# Altium PCB 滑板车模块 - 拼板.PcbDoc (part 3 of 8)
Units mm, origin at the board's own origin, x right, y up, seen from the top; angles counter-clockwise.
Board outline 16 x 13 mm, 2 copper layers (Top Layer, Bottom Layer); 420 components, 26 nets, 2088 pads, 620 vias.
Unrouted connection lines stored in the file: 114.
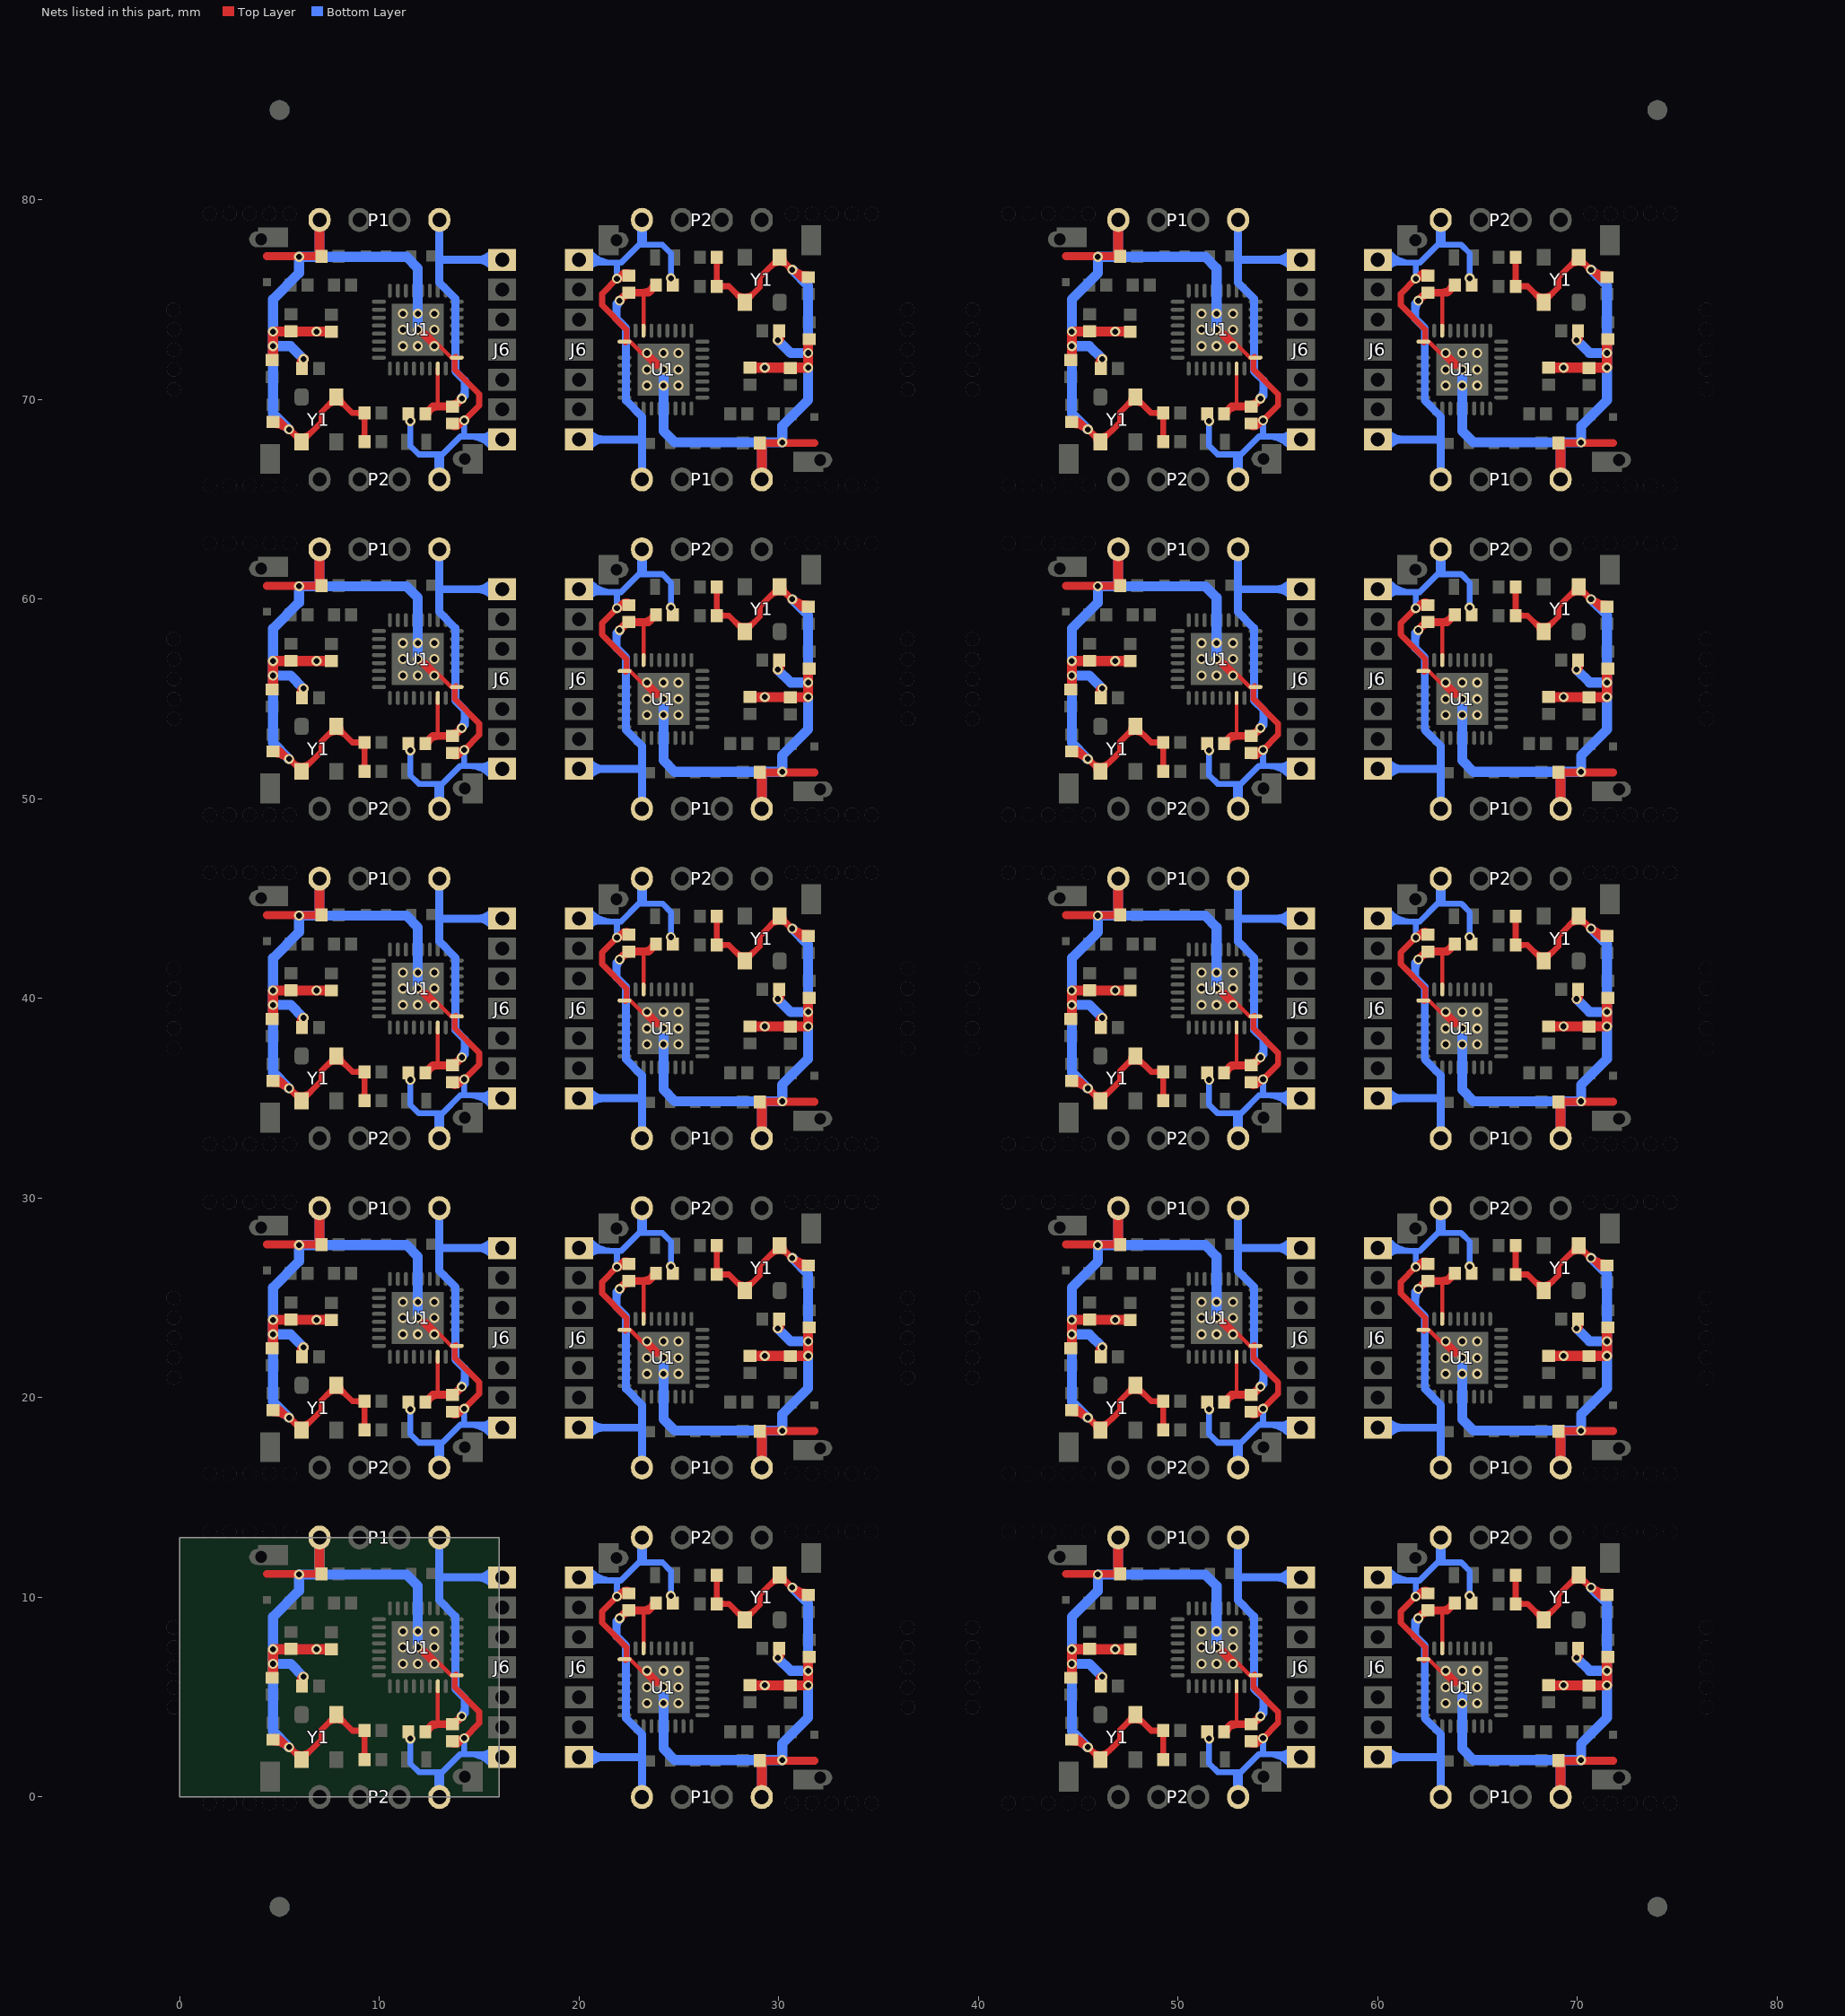
[diagram p3: the nets of this part, all layers, seen from the top]

## Via types
v1: diameter 0.5, hole 0.3, Top Layer to Bottom Layer, tented both sides, 620 vias

## Nets (pads, with @x,y where several pads share a name; then routed paths per layer and width w, separated by ;. In a path a pad name is that pad's centre, name@x,y a point inside that pad or via, vN(x,y) a via of type N, cw(c..) or ccw(c..) an arc to the next point about the centre after c; other vN are vias at no path point) (continued)
GND: (continued)
  Bottom Layer w0.3: v1(11.55,2.925) 11.55,1.675 11.975,1.25 13.15,1.25 14.05,2.15 14.275,2.15 ; v1(11.55,19.425) 11.55,18.175 11.975,17.75 13.15,17.75 14.05,18.65 14.275,18.65 ; v1(11.55,35.925) 11.55,34.675 11.975,34.25 13.15,34.25 14.05,35.15 14.275,35.15 ; v1(11.55,52.425) 11.55,51.175 11.975,50.75 13.15,50.75 14.05,51.65 14.275,51.65 ; v1(11.55,68.925) 11.55,67.675 11.975,67.25 13.15,67.25 14.05,68.15 14.275,68.15 ; v1(14.251,2.95) 14.251,2.174 14.275,2.15 ; v1(14.251,19.45) 14.251,18.674 14.275,18.65 ; v1(14.251,35.95) 14.251,35.174 14.275,35.15 ; v1(14.251,52.45) 14.251,51.674 14.275,51.65 ; v1(14.251,68.95) 14.251,68.174 14.275,68.15 ; 14.472,2.15 cw(c14.472,0.672) J6.7@15.517,1.717 ; 14.472,18.65 cw(c14.472,17.172) J6.7@15.517,18.217 ; 14.472,35.15 cw(c14.472,33.672) J6.7@15.517,34.717 ; 14.472,51.65 cw(c14.472,50.172) J6.7@15.517,51.217 ; 14.472,68.15 cw(c14.472,66.672) J6.7@15.517,67.717 ; J6.7@15.517,2.283 cw(c15.196,2.604) 15.196,2.15 cw(c15.196,1.396) J6.7@15.729,1.929 ; J6.7@15.517,18.783 cw(c15.196,19.104) 15.196,18.65 cw(c15.196,17.896) J6.7@15.729,18.429 ; J6.7@15.517,35.283 cw(c15.196,35.604) 15.196,35.15 cw(c15.196,34.396) J6.7@15.729,34.929 ; J6.7@15.517,51.783 cw(c15.196,52.104) 15.196,51.65 cw(c15.196,50.896) J6.7@15.729,51.429 ; J6.7@15.517,68.283 cw(c15.196,68.604) 15.196,68.15 cw(c15.196,67.396) J6.7@15.729,67.929 ; J6.7@16.15,2 16,2.15 14.275,2.15 ; J6.7@16.15,18.5 16,18.65 14.275,18.65 ; J6.7@16.15,35 16,35.15 14.275,35.15 ; J6.7@16.15,51.5 16,51.65 14.275,51.65 ; J6.7@16.15,68 16,68.15 14.275,68.15 ; J6.7@20,11 20.15,10.85 21.875,10.85 ; J6.7@20,27.5 20.15,27.35 21.875,27.35 ; J6.7@20,44 20.15,43.85 21.875,43.85 ; J6.7@20,60.5 20.15,60.35 21.875,60.35 ; J6.7@20,77 20.15,76.85 21.875,76.85 ; J6.7@20.421,11.071 ccw(c20.954,11.604) 20.954,10.85 ccw(c20.954,10.396) J6.7@20.633,10.717 ; J6.7@20.421,27.571 ccw(c20.954,28.104) 20.954,27.35 ccw(c20.954,26.896) J6.7@20.633,27.217 ; J6.7@20.421,44.071 ccw(c20.954,44.604) 20.954,43.85 ccw(c20.954,43.396) J6.7@20.633,43.717 ; J6.7@20.421,60.571 ccw(c20.954,61.104) 20.954,60.35 ccw(c20.954,59.896) J6.7@20.633,60.217 ; J6.7@20.421,77.071 ccw(c20.954,77.604) 20.954,76.85 ccw(c20.954,76.396) J6.7@20.633,76.717 ; J6.7@20.633,11.283 ccw(c21.678,12.328) 21.678,10.85 ; J6.7@20.633,27.783 ccw(c21.678,28.828) 21.678,27.35 ; J6.7@20.633,44.283 ccw(c21.678,45.328) 21.678,43.85 ; J6.7@20.633,60.783 ccw(c21.678,61.828) 21.678,60.35 ; J6.7@20.633,77.283 ccw(c21.678,78.328) 21.678,76.85 ; v1(21.899,10.05) 21.899,10.826 21.875,10.85 ; v1(21.899,26.55) 21.899,27.326 21.875,27.35 ; v1(21.899,43.05) 21.899,43.826 21.875,43.85 ; v1(21.899,59.55) 21.899,60.326 21.875,60.35 ; v1(21.899,76.05) 21.899,76.826 21.875,76.85 ; v1(24.6,10.075) 24.6,11.325 24.175,11.75 23,11.75 22.1,10.85 21.875,10.85 ; v1(24.6,26.575) 24.6,27.825 24.175,28.25 23,28.25 22.1,27.35 21.875,27.35 ; v1(24.6,43.075) 24.6,44.325 24.175,44.75 23,44.75 22.1,43.85 21.875,43.85 ; v1(24.6,59.575) 24.6,60.825 24.175,61.25 23,61.25 22.1,60.35 21.875,60.35 ; v1(24.6,76.075) 24.6,77.325 24.175,77.75 23,77.75 22.1,76.85 21.875,76.85 ; v1(51.55,2.925) 51.55,1.675 51.975,1.25 53.15,1.25 54.05,2.15 54.275,2.15 ; v1(51.55,19.425) 51.55,18.175 51.975,17.75 53.15,17.75 54.05,18.65 54.275,18.65 ; v1(51.55,35.925) 51.55,34.675 51.975,34.25 53.15,34.25 54.05,35.15 54.275,35.15 ; v1(51.55,52.425) 51.55,51.175 51.975,50.75 53.15,50.75 54.05,51.65 54.275,51.65 ; v1(51.55,68.925) 51.55,67.675 51.975,67.25 53.15,67.25 54.05,68.15 54.275,68.15 ; v1(54.251,2.95) 54.251,2.174 54.275,2.15 ; v1(54.251,19.45) 54.251,18.674 54.275,18.65 ; v1(54.251,35.95) 54.251,35.174 54.275,35.15 ; v1(54.251,52.45) 54.251,51.674 54.275,51.65 ; v1(54.251,68.95) 54.251,68.174 54.275,68.15 ; 54.472,2.15 cw(c54.472,0.672) J6.7@55.517,1.717 ; 54.472,18.65 cw(c54.472,17.172) J6.7@55.517,18.217 ; 54.472,35.15 cw(c54.472,33.672) J6.7@55.517,34.717 ; 54.472,51.65 cw(c54.472,50.172) J6.7@55.517,51.217 ; 54.472,68.15 cw(c54.472,66.672) J6.7@55.517,67.717 ; J6.7@55.517,2.283 cw(c55.196,2.604) 55.196,2.15 cw(c55.196,1.396) J6.7@55.729,1.929 ; J6.7@55.517,18.783 cw(c55.196,19.104) 55.196,18.65 cw(c55.196,17.896) J6.7@55.729,18.429 ; J6.7@55.517,35.283 cw(c55.196,35.604) 55.196,35.15 cw(c55.196,34.396) J6.7@55.729,34.929 ; J6.7@55.517,51.783 cw(c55.196,52.104) 55.196,51.65 cw(c55.196,50.896) J6.7@55.729,51.429 ; J6.7@55.517,68.283 cw(c55.196,68.604) 55.196,68.15 cw(c55.196,67.396) J6.7@55.729,67.929 ; J6.7@56.15,2 56,2.15 54.275,2.15 ; J6.7@56.15,18.5 56,18.65 54.275,18.65 ; J6.7@56.15,35 56,35.15 54.275,35.15 ; J6.7@56.15,51.5 56,51.65 54.275,51.65 ; J6.7@56.15,68 56,68.15 54.275,68.15 ; J6.7@60,11 60.15,10.85 61.875,10.85 ; J6.7@60,27.5 60.15,27.35 61.875,27.35 ; J6.7@60,44 60.15,43.85 61.875,43.85 ; J6.7@60,60.5 60.15,60.35 61.875,60.35 ; J6.7@60,77 60.15,76.85 61.875,76.85 ; J6.7@60.421,11.071 ccw(c60.954,11.604) 60.954,10.85 ccw(c60.954,10.396) J6.7@60.633,10.717 ; J6.7@60.421,27.571 ccw(c60.954,28.104) 60.954,27.35 ccw(c60.954,26.896) J6.7@60.633,27.217 ; J6.7@60.421,44.071 ccw(c60.954,44.604) 60.954,43.85 ccw(c60.954,43.396) J6.7@60.633,43.717 ; J6.7@60.421,60.571 ccw(c60.954,61.104) 60.954,60.35 ccw(c60.954,59.896) J6.7@60.633,60.217 ; J6.7@60.421,77.071 ccw(c60.954,77.604) 60.954,76.85 ccw(c60.954,76.396) J6.7@60.633,76.717 ; J6.7@60.633,11.283 ccw(c61.678,12.328) 61.678,10.85 ; J6.7@60.633,27.783 ccw(c61.678,28.828) 61.678,27.35 ; J6.7@60.633,44.283 ccw(c61.678,45.328) 61.678,43.85 ; J6.7@60.633,60.783 ccw(c61.678,61.828) 61.678,60.35 ; J6.7@60.633,77.283 ccw(c61.678,78.328) 61.678,76.85 ; v1(61.899,10.05) 61.899,10.826 61.875,10.85 ; v1(61.899,26.55) 61.899,27.326 61.875,27.35 ; v1(61.899,43.05) 61.899,43.826 61.875,43.85 ; v1(61.899,59.55) 61.899,60.326 61.875,60.35 ; v1(61.899,76.05) 61.899,76.826 61.875,76.85 ; v1(64.6,10.075) 64.6,11.325 64.175,11.75 63,11.75 62.1,10.85 61.875,10.85 ; v1(64.6,26.575) 64.6,27.825 64.175,28.25 63,28.25 62.1,27.35 61.875,27.35 ; v1(64.6,43.075) 64.6,44.325 64.175,44.75 63,44.75 62.1,43.85 61.875,43.85 ; v1(64.6,59.575) 64.6,60.825 64.175,61.25 63,61.25 62.1,60.35 61.875,60.35 ; v1(64.6,76.075) 64.6,77.325 64.175,77.75 63,77.75 62.1,76.85 61.875,76.85
  Bottom Layer w0.5: v1(5.475,2.5) 4.675,3.3 v1(4.675,6.675) ; v1(5.475,19) 4.675,19.8 v1(4.675,23.175) ; v1(5.475,35.5) 4.675,36.3 v1(4.675,39.675) ; v1(5.475,52) 4.675,52.8 v1(4.675,56.175) ; v1(5.475,68.5) 4.675,69.3 v1(4.675,72.675) ; v1(6.2,6.025) 5.55,6.675 v1(4.675,6.675) ; v1(6.2,22.525) 5.55,23.175 v1(4.675,23.175) ; v1(6.2,39.025) 5.55,39.675 v1(4.675,39.675) ; v1(6.2,55.525) 5.55,56.175 v1(4.675,56.175) ; v1(6.2,72.025) 5.55,72.675 v1(4.675,72.675) ; 7,11.225 P1.4@7,13 ; 7,27.725 P1.4@7,29.5 ; 7,44.225 P1.4@7,46 ; 7,60.725 P1.4@7,62.5 ; 7,77.225 P1.4@7,79 ; v1(11.925,7.5) 11.925,10.575 11.35,11.15 v1(5.975,11.15) 5.975,10.325 4.675,9.025 v1(4.675,6.675) ; v1(11.925,24) 11.925,27.075 11.35,27.65 v1(5.975,27.65) 5.975,26.825 4.675,25.525 v1(4.675,23.175) ; v1(11.925,40.5) 11.925,43.575 11.35,44.15 v1(5.975,44.15) 5.975,43.325 4.675,42.025 v1(4.675,39.675) ; v1(11.925,57) 11.925,60.075 11.35,60.65 v1(5.975,60.65) 5.975,59.825 4.675,58.525 v1(4.675,56.175) ; v1(11.925,73.5) 11.925,76.575 11.35,77.15 v1(5.975,77.15) 5.975,76.325 4.675,75.025 v1(4.675,72.675) ; P2.1@13,0 13,1.1 ; P2.1@13,16.5 13,17.6 ; P2.1@13,33 13,34.1 ; P2.1@13,49.5 13,50.6 ; P2.1@13,66 13,67.1 ; 23.15,11.9 P2.1@23.15,13 ; 23.15,28.4 P2.1@23.15,29.5 ; 23.15,44.9 P2.1@23.15,46 ; 23.15,61.4 P2.1@23.15,62.5 ; 23.15,77.9 P2.1@23.15,79 ; v1(24.225,5.5) 24.225,2.425 24.8,1.85 v1(30.175,1.85) 30.175,2.675 31.475,3.975 v1(31.475,6.325) ; v1(24.225,22) 24.225,18.925 24.8,18.35 v1(30.175,18.35) 30.175,19.175 31.475,20.475 v1(31.475,22.825) ; v1(24.225,38.5) 24.225,35.425 24.8,34.85 v1(30.175,34.85) 30.175,35.675 31.475,36.975 v1(31.475,39.325) ; v1(24.225,55) 24.225,51.925 24.8,51.35 v1(30.175,51.35) 30.175,52.175 31.475,53.475 v1(31.475,55.825) ; v1(24.225,71.5) 24.225,68.425 24.8,67.85 v1(30.175,67.85) 30.175,68.675 31.475,69.975 v1(31.475,72.325) ; P1.4@29.15,0 29.15,1.775 ; P1.4@29.15,16.5 29.15,18.275 ; P1.4@29.15,33 29.15,34.775 ; P1.4@29.15,49.5 29.15,51.275 ; P1.4@29.15,66 29.15,67.775 ; v1(29.95,6.975) 30.6,6.325 v1(31.475,6.325) ; v1(29.95,23.475) 30.6,22.825 v1(31.475,22.825) ; v1(29.95,39.975) 30.6,39.325 v1(31.475,39.325) ; v1(29.95,56.475) 30.6,55.825 v1(31.475,55.825) ; v1(29.95,72.975) 30.6,72.325 v1(31.475,72.325) ; v1(30.675,10.5) 31.475,9.7 v1(31.475,6.325) ; v1(30.675,27) 31.475,26.2 v1(31.475,22.825) ; v1(30.675,43.5) 31.475,42.7 v1(31.475,39.325) ; v1(30.675,60) 31.475,59.2 v1(31.475,55.825) ; v1(30.675,76.5) 31.475,75.7 v1(31.475,72.325) ; v1(45.475,2.5) 44.675,3.3 v1(44.675,6.675) ; v1(45.475,19) 44.675,19.8 v1(44.675,23.175) ; v1(45.475,35.5) 44.675,36.3 v1(44.675,39.675) ; v1(45.475,52) 44.675,52.8 v1(44.675,56.175) ; v1(45.475,68.5) 44.675,69.3 v1(44.675,72.675) ; v1(46.2,6.025) 45.55,6.675 v1(44.675,6.675) ; v1(46.2,22.525) 45.55,23.175 v1(44.675,23.175) ; v1(46.2,39.025) 45.55,39.675 v1(44.675,39.675) ; v1(46.2,55.525) 45.55,56.175 v1(44.675,56.175) ; v1(46.2,72.025) 45.55,72.675 v1(44.675,72.675) ; 47,11.225 P1.4@47,13 ; 47,27.725 P1.4@47,29.5 ; 47,44.225 P1.4@47,46 ; 47,60.725 P1.4@47,62.5 ; 47,77.225 P1.4@47,79 ; v1(51.925,7.5) 51.925,10.575 51.35,11.15 v1(45.975,11.15) 45.975,10.325 44.675,9.025 v1(44.675,6.675) ; v1(51.925,24) 51.925,27.075 51.35,27.65 v1(45.975,27.65) 45.975,26.825 44.675,25.525 v1(44.675,23.175) ; v1(51.925,40.5) 51.925,43.575 51.35,44.15 v1(45.975,44.15) 45.975,43.325 44.675,42.025 v1(44.675,39.675) ; v1(51.925,57) 51.925,60.075 51.35,60.65 v1(45.975,60.65) 45.975,59.825 44.675,58.525 v1(44.675,56.175) ; v1(51.925,73.5) 51.925,76.575 51.35,77.15 v1(45.975,77.15) 45.975,76.325 44.675,75.025 v1(44.675,72.675) ; P2.1@53,0 53,1.1 ; P2.1@53,16.5 53,17.6 ; P2.1@53,33 53,34.1 ; P2.1@53,49.5 53,50.6 ; P2.1@53,66 53,67.1 ; 63.15,11.9 P2.1@63.15,13 ; 63.15,28.4 P2.1@63.15,29.5 ; 63.15,44.9 P2.1@63.15,46 ; 63.15,61.4 P2.1@63.15,62.5 ; 63.15,77.9 P2.1@63.15,79 ; v1(64.225,5.5) 64.225,2.425 64.8,1.85 v1(70.175,1.85) 70.175,2.675 71.475,3.975 v1(71.475,6.325) ; v1(64.225,22) 64.225,18.925 64.8,18.35 v1(70.175,18.35) 70.175,19.175 71.475,20.475 v1(71.475,22.825) ; v1(64.225,38.5) 64.225,35.425 64.8,34.85 v1(70.175,34.85) 70.175,35.675 71.475,36.975 v1(71.475,39.325) ; v1(64.225,55) 64.225,51.925 64.8,51.35 v1(70.175,51.35) 70.175,52.175 71.475,53.475 v1(71.475,55.825) ; v1(64.225,71.5) 64.225,68.425 64.8,67.85 v1(70.175,67.85) 70.175,68.675 71.475,69.975 v1(71.475,72.325) ; P1.4@69.15,0 69.15,1.775 ; P1.4@69.15,16.5 69.15,18.275 ; P1.4@69.15,33 69.15,34.775 ; P1.4@69.15,49.5 69.15,51.275 ; P1.4@69.15,66 69.15,67.775 ; v1(69.95,6.975) 70.6,6.325 v1(71.475,6.325) ; v1(69.95,23.475) 70.6,22.825 v1(71.475,22.825) ; v1(69.95,39.975) 70.6,39.325 v1(71.475,39.325) ; v1(69.95,56.475) 70.6,55.825 v1(71.475,55.825) ; v1(69.95,72.975) 70.6,72.325 v1(71.475,72.325) ; v1(70.675,10.5) 71.475,9.7 v1(71.475,6.325) ; v1(70.675,27) 71.475,26.2 v1(71.475,22.825) ; v1(70.675,43.5) 71.475,42.7 v1(71.475,39.325) ; v1(70.675,60) 71.475,59.2 v1(71.475,55.825) ; v1(70.675,76.5) 71.475,75.7 v1(71.475,72.325)
  other v1: 23.4,4.7 24.225,4.7 24.975,4.7 63.4,4.7 64.225,4.7 64.975,4.7 23.4,5.5 24.975,5.5 63.4,5.5 64.975,5.5 29.3,5.6 69.3,5.6 24.225,6.325 24.975,6.325 64.225,6.325 64.975,6.325 11.175,6.675 11.925,6.675 51.175,6.675 51.925,6.675 6.85,7.4 46.85,7.4 11.175,7.5 12.75,7.5 51.175,7.5 52.75,7.5 11.175,8.3 11.925,8.3 12.75,8.3 51.175,8.3 51.925,8.3 52.75,8.3 23.4,21.2 24.225,21.2 24.975,21.2 63.4,21.2 64.225,21.2 64.975,21.2 23.4,22 24.975,22 63.4,22 64.975,22 29.3,22.1 69.3,22.1 24.225,22.825 24.975,22.825 64.225,22.825 64.975,22.825 11.175,23.175 11.925,23.175 51.175,23.175 51.925,23.175 6.85,23.9 46.85,23.9 11.175,24 12.75,24 51.175,24 52.75,24 11.175,24.8 11.925,24.8 12.75,24.8 51.175,24.8 51.925,24.8 52.75,24.8 23.4,37.7 24.225,37.7 24.975,37.7 63.4,37.7 64.225,37.7 64.975,37.7 23.4,38.5 24.975,38.5 63.4,38.5 64.975,38.5 29.3,38.6 69.3,38.6 24.225,39.325 24.975,39.325 64.225,39.325 64.975,39.325 11.175,39.675 11.925,39.675 51.175,39.675 51.925,39.675 6.85,40.4 46.85,40.4 11.175,40.5 12.75,40.5 51.175,40.5 52.75,40.5 11.175,41.3 11.925,41.3 12.75,41.3 51.175,41.3 51.925,41.3 52.75,41.3 23.4,54.2 24.225,54.2 24.975,54.2 63.4,54.2 64.225,54.2 64.975,54.2 23.4,55 24.975,55 63.4,55 64.975,55 29.3,55.1 69.3,55.1 24.225,55.825 24.975,55.825 64.225,55.825 64.975,55.825 11.175,56.175 11.925,56.175 51.175,56.175 51.925,56.175 6.85,56.9 46.85,56.9 11.175,57 12.75,57 51.175,57 52.75,57 11.175,57.8 11.925,57.8 12.75,57.8 51.175,57.8 51.925,57.8 52.75,57.8 23.4,70.7 24.225,70.7 24.975,70.7 63.4,70.7 64.225,70.7 64.975,70.7 23.4,71.5 24.975,71.5 63.4,71.5 64.975,71.5 29.3,71.6 69.3,71.6 24.225,72.325 24.975,72.325 64.225,72.325 64.975,72.325 11.175,72.675 11.925,72.675 51.175,72.675 51.925,72.675 6.85,73.4 46.85,73.4 11.175,73.5 12.75,73.5 51.175,73.5 52.75,73.5 11.175,74.3 11.925,74.3 12.75,74.3 51.175,74.3 51.925,74.3 52.75,74.3
M3V3: C2.1 C4.2 J6.1 P1.1 U1.23 | length 402.3
  Top Layer w0.2: 12.925,3.65 U1.23@12.925,5.55 ; 12.925,20.15 U1.23@12.925,22.05 ; 12.925,36.65 U1.23@12.925,38.55 ; 12.925,53.15 U1.23@12.925,55.05 ; 12.925,69.65 U1.23@12.925,71.55 ; U1.23@23.225,7.45 23.225,9.35 ; U1.23@23.225,23.95 23.225,25.85 ; U1.23@23.225,40.45 23.225,42.35 ; U1.23@23.225,56.95 23.225,58.85 ; U1.23@23.225,73.45 23.225,75.35 ; 52.925,3.65 U1.23@52.925,5.55 ; 52.925,20.15 U1.23@52.925,22.05 ; 52.925,36.65 U1.23@52.925,38.55 ; 52.925,53.15 U1.23@52.925,55.05 ; 52.925,69.65 U1.23@52.925,71.55 ; U1.23@63.225,7.45 63.225,9.35 ; U1.23@63.225,23.95 63.225,25.85 ; U1.23@63.225,40.45 63.225,42.35 ; U1.23@63.225,56.95 63.225,58.85 ; U1.23@63.225,73.45 63.225,75.35
  Top Layer w0.4: C4.2@12.3,3.275 12.675,3.65 12.925,3.65 ; C4.2@12.3,19.775 12.675,20.15 12.925,20.15 ; C4.2@12.3,36.275 12.675,36.65 12.925,36.65 ; C4.2@12.3,52.775 12.675,53.15 12.925,53.15 ; C4.2@12.3,69.275 12.675,69.65 12.925,69.65 ; C4.2@12.395,3.268 cw(c12.925,3.091) 12.925,3.65 ; C4.2@12.395,19.768 cw(c12.925,19.591) 12.925,20.15 ; C4.2@12.395,36.268 cw(c12.925,36.091) 12.925,36.65 ; C4.2@12.395,52.768 cw(c12.925,52.591) 12.925,53.15 ; C4.2@12.395,69.268 cw(c12.925,69.091) 12.925,69.65 ; C2.1@13.675,3.75 ccw(c13.675,4.112) C2.1@13.931,3.856 ; C2.1@13.675,20.25 ccw(c13.675,20.612) C2.1@13.931,20.356 ; C2.1@13.675,36.75 ccw(c13.675,37.112) C2.1@13.931,36.856 ; C2.1@13.675,53.25 ccw(c13.675,53.612) C2.1@13.931,53.356 ; C2.1@13.675,69.75 ccw(c13.675,70.112) C2.1@13.931,69.856 ; v1(14.125,4.05) 13.725,3.65 C2.1@13.65,3.65 12.925,3.65 ; v1(14.125,20.55) 13.725,20.15 C2.1@13.65,20.15 12.925,20.15 ; v1(14.125,37.05) 13.725,36.65 C2.1@13.65,36.65 12.925,36.65 ; v1(14.125,53.55) 13.725,53.15 C2.1@13.65,53.15 12.925,53.15 ; v1(14.125,70.05) 13.725,69.65 C2.1@13.65,69.65 12.925,69.65 ; v1(22.025,8.95) 22.425,9.35 C2.1@22.5,9.35 23.225,9.35 ; v1(22.025,25.45) 22.425,25.85 C2.1@22.5,25.85 23.225,25.85 ; v1(22.025,41.95) 22.425,42.35 C2.1@22.5,42.35 23.225,42.35 ; v1(22.025,58.45) 22.425,58.85 C2.1@22.5,58.85 23.225,58.85 ; v1(22.025,74.95) 22.425,75.35 C2.1@22.5,75.35 23.225,75.35 ; C2.1@22.219,9.144 cw(c22.475,8.888) C2.1@22.475,9.25 ; C2.1@22.219,25.644 cw(c22.475,25.388) C2.1@22.475,25.75 ; C2.1@22.219,42.144 cw(c22.475,41.888) C2.1@22.475,42.25 ; C2.1@22.219,58.644 cw(c22.475,58.388) C2.1@22.475,58.75 ; C2.1@22.219,75.144 cw(c22.475,74.888) C2.1@22.475,75.25 ; C4.2@23.755,9.732 cw(c23.225,9.909) 23.225,9.35 ; C4.2@23.755,26.232 cw(c23.225,26.409) 23.225,25.85 ; C4.2@23.755,42.732 cw(c23.225,42.909) 23.225,42.35 ; C4.2@23.755,59.232 cw(c23.225,59.409) 23.225,58.85 ; C4.2@23.755,75.732 cw(c23.225,75.909) 23.225,75.35 ; C4.2@23.85,9.725 23.475,9.35 23.225,9.35 ; C4.2@23.85,26.225 23.475,25.85 23.225,25.85 ; C4.2@23.85,42.725 23.475,42.35 23.225,42.35 ; C4.2@23.85,59.225 23.475,58.85 23.225,58.85 ; C4.2@23.85,75.725 23.475,75.35 23.225,75.35 ; C4.2@52.3,3.275 52.675,3.65 52.925,3.65 ; C4.2@52.3,19.775 52.675,20.15 52.925,20.15 ; C4.2@52.3,36.275 52.675,36.65 52.925,36.65 ; C4.2@52.3,52.775 52.675,53.15 52.925,53.15 ; C4.2@52.3,69.275 52.675,69.65 52.925,69.65 ; C4.2@52.395,3.268 cw(c52.925,3.091) 52.925,3.65 ; C4.2@52.395,19.768 cw(c52.925,19.591) 52.925,20.15 ; C4.2@52.395,36.268 cw(c52.925,36.091) 52.925,36.65 ; C4.2@52.395,52.768 cw(c52.925,52.591) 52.925,53.15 ; C4.2@52.395,69.268 cw(c52.925,69.091) 52.925,69.65 ; C2.1@53.675,3.75 ccw(c53.675,4.112) C2.1@53.931,3.856 ; C2.1@53.675,20.25 ccw(c53.675,20.612) C2.1@53.931,20.356 ; C2.1@53.675,36.75 ccw(c53.675,37.112) C2.1@53.931,36.856 ; C2.1@53.675,53.25 ccw(c53.675,53.612) C2.1@53.931,53.356 ; C2.1@53.675,69.75 ccw(c53.675,70.112) C2.1@53.931,69.856 ; v1(54.125,4.05) 53.725,3.65 C2.1@53.65,3.65 52.925,3.65 ; v1(54.125,20.55) 53.725,20.15 C2.1@53.65,20.15 52.925,20.15 ; v1(54.125,37.05) 53.725,36.65 C2.1@53.65,36.65 52.925,36.65 ; v1(54.125,53.55) 53.725,53.15 C2.1@53.65,53.15 52.925,53.15 ; v1(54.125,70.05) 53.725,69.65 C2.1@53.65,69.65 52.925,69.65 ; v1(62.025,8.95) 62.425,9.35 C2.1@62.5,9.35 63.225,9.35 ; v1(62.025,25.45) 62.425,25.85 C2.1@62.5,25.85 63.225,25.85 ; v1(62.025,41.95) 62.425,42.35 C2.1@62.5,42.35 63.225,42.35 ; v1(62.025,58.45) 62.425,58.85 C2.1@62.5,58.85 63.225,58.85 ; v1(62.025,74.95) 62.425,75.35 C2.1@62.5,75.35 63.225,75.35 ; C2.1@62.219,9.144 cw(c62.475,8.888) C2.1@62.475,9.25 ; C2.1@62.219,25.644 cw(c62.475,25.388) C2.1@62.475,25.75 ; C2.1@62.219,42.144 cw(c62.475,41.888) C2.1@62.475,42.25 ; C2.1@62.219,58.644 cw(c62.475,58.388) C2.1@62.475,58.75 ; C2.1@62.219,75.144 cw(c62.475,74.888) C2.1@62.475,75.25 ; C4.2@63.755,9.732 cw(c63.225,9.909) 63.225,9.35 ; C4.2@63.755,26.232 cw(c63.225,26.409) 63.225,25.85 ; C4.2@63.755,42.732 cw(c63.225,42.909) 63.225,42.35 ; C4.2@63.755,59.232 cw(c63.225,59.409) 63.225,58.85 ; C4.2@63.755,75.732 cw(c63.225,75.909) 63.225,75.35 ; C4.2@63.85,9.725 63.475,9.35 63.225,9.35 ; C4.2@63.85,26.225 63.475,25.85 63.225,25.85 ; C4.2@63.85,42.725 63.475,42.35 63.225,42.35 ; C4.2@63.85,59.225 63.475,58.85 63.225,58.85 ; C4.2@63.85,75.725 63.475,75.35 63.225,75.35 ; C2.1@13.908,3.842 ccw(c13.726,4.157) 14.077,4.063 cw(c13.726,4.157) C2.1@13.908,3.842 ; C2.1@13.908,20.342 ccw(c13.726,20.657) 14.077,20.563 cw(c13.726,20.657) C2.1@13.908,20.342 ; C2.1@13.908,36.842 ccw(c13.726,37.157) 14.077,37.063 cw(c13.726,37.157) C2.1@13.908,36.842 ; C2.1@13.908,53.342 ccw(c13.726,53.657) 14.077,53.563 cw(c13.726,53.657) C2.1@13.908,53.342 ; C2.1@13.908,69.842 ccw(c13.726,70.157) 14.077,70.063 cw(c13.726,70.157) C2.1@13.908,69.842 ; v1@22.073,8.937 cw(c22.424,8.843) 22.242,9.158 ccw(c22.424,8.843) v1@22.073,8.937 ; v1@22.073,25.437 cw(c22.424,25.343) 22.242,25.658 ccw(c22.424,25.343) v1@22.073,25.437 ; v1@22.073,41.937 cw(c22.424,41.843) 22.242,42.158 ccw(c22.424,41.843) v1@22.073,41.937 ; v1@22.073,58.437 cw(c22.424,58.343) 22.242,58.658 ccw(c22.424,58.343) v1@22.073,58.437 ; v1@22.073,74.937 cw(c22.424,74.843) 22.242,75.158 ccw(c22.424,74.843) v1@22.073,74.937 ; C2.1@53.908,3.842 ccw(c53.726,4.157) 54.077,4.063 cw(c53.726,4.157) C2.1@53.908,3.842 ; C2.1@53.908,20.342 ccw(c53.726,20.657) 54.077,20.563 cw(c53.726,20.657) C2.1@53.908,20.342 ; C2.1@53.908,36.842 ccw(c53.726,37.157) 54.077,37.063 cw(c53.726,37.157) C2.1@53.908,36.842 ; C2.1@53.908,53.342 ccw(c53.726,53.657) 54.077,53.563 cw(c53.726,53.657) C2.1@53.908,53.342 ; C2.1@53.908,69.842 ccw(c53.726,70.157) 54.077,70.063 cw(c53.726,70.157) C2.1@53.908,69.842 ; v1@62.073,8.937 cw(c62.424,8.843) 62.242,9.158 ccw(c62.424,8.843) v1@62.073,8.937 ; v1@62.073,25.437 cw(c62.424,25.343) 62.242,25.658 ccw(c62.424,25.343) v1@62.073,25.437 ; v1@62.073,41.937 cw(c62.424,41.843) 62.242,42.158 ccw(c62.424,41.843) v1@62.073,41.937 ; v1@62.073,58.437 cw(c62.424,58.343) 62.242,58.658 ccw(c62.424,58.343) v1@62.073,58.437 ; v1@62.073,74.937 cw(c62.424,74.843) 62.242,75.158 ccw(c62.424,74.843) v1@62.073,74.937
  Bottom Layer w0.4: 13,11 J6.1@16.15,11 ; P1.1@13,13 13,9.85 13.8,9.05 13.8,5.425 14.275,4.95 14.275,4.2 v1(14.125,4.05) ; 13,27.5 J6.1@16.15,27.5 ; P1.1@13,29.5 13,26.35 13.8,25.55 13.8,21.925 14.275,21.45 14.275,20.7 v1(14.125,20.55) ; 13,44 J6.1@16.15,44 ; P1.1@13,46 13,42.85 13.8,42.05 13.8,38.425 14.275,37.95 14.275,37.2 v1(14.125,37.05) ; 13,60.5 J6.1@16.15,60.5 ; P1.1@13,62.5 13,59.35 13.8,58.55 13.8,54.925 14.275,54.45 14.275,53.7 v1(14.125,53.55) ; 13,77 J6.1@16.15,77 ; P1.1@13,79 13,75.85 13.8,75.05 13.8,71.425 14.275,70.95 14.275,70.2 v1(14.125,70.05) ; v1@14.09,4.085 ccw(c13.642,4.533) 14.275,4.533 ; v1@14.09,20.585 ccw(c13.642,21.033) 14.275,21.033 ; v1@14.09,37.085 ccw(c13.642,37.533) 14.275,37.533 ; v1@14.09,53.585 ccw(c13.642,54.033) 14.275,54.033 ; v1@14.09,70.085 ccw(c13.642,70.533) 14.275,70.533 ; J6.1@15.553,10.753 ccw(c14.955,10.155) 14.955,11 ccw(c14.955,11.845) J6.1@15.553,11.247 ; J6.1@15.553,27.253 ccw(c14.955,26.655) 14.955,27.5 ccw(c14.955,28.345) J6.1@15.553,27.747 ; J6.1@15.553,43.753 ccw(c14.955,43.155) 14.955,44 ccw(c14.955,44.845) J6.1@15.553,44.247 ; J6.1@15.553,60.253 ccw(c14.955,59.655) 14.955,60.5 ccw(c14.955,61.345) J6.1@15.553,60.747 ; J6.1@15.553,76.753 ccw(c14.955,76.155) 14.955,77 ccw(c14.955,77.845) J6.1@15.553,77.247 ; J6.1@20,2 23.15,2 ; J6.1@20,18.5 23.15,18.5 ; J6.1@20,35 23.15,35 ; J6.1@20,51.5 23.15,51.5 ; J6.1@20,68 23.15,68 ; J6.1@20.597,1.753 cw(c21.195,1.155) 21.195,2 cw(c21.195,2.845) J6.1@20.597,2.247 ; J6.1@20.597,18.253 cw(c21.195,17.655) 21.195,18.5 cw(c21.195,19.345) J6.1@20.597,18.747 ; J6.1@20.597,34.753 cw(c21.195,34.155) 21.195,35 cw(c21.195,35.845) J6.1@20.597,35.247 ; J6.1@20.597,51.253 cw(c21.195,50.655) 21.195,51.5 cw(c21.195,52.345) J6.1@20.597,51.747 ; J6.1@20.597,67.753 cw(c21.195,67.155) 21.195,68 cw(c21.195,68.845) J6.1@20.597,68.247 ; 21.875,8.467 cw(c22.508,8.467) v1@22.06,8.915 ; 21.875,24.967 cw(c22.508,24.967) v1@22.06,25.415 ; 21.875,41.467 cw(c22.508,41.467) v1@22.06,41.915 ; 21.875,57.967 cw(c22.508,57.967) v1@22.06,58.415 ; 21.875,74.467 cw(c22.508,74.467) v1@22.06,74.915 ; v1(22.025,8.95) 21.875,8.8 21.875,8.05 22.35,7.575 22.35,3.95 23.15,3.15 P1.1@23.15,0 ; v1(22.025,25.45) 21.875,25.3 21.875,24.55 22.35,24.075 22.35,20.45 23.15,19.65 P1.1@23.15,16.5 ; v1(22.025,41.95) 21.875,41.8 21.875,41.05 22.35,40.575 22.35,36.95 23.15,36.15 P1.1@23.15,33 ; v1(22.025,58.45) 21.875,58.3 21.875,57.55 22.35,57.075 22.35,53.45 23.15,52.65 P1.1@23.15,49.5 ; v1(22.025,74.95) 21.875,74.8 21.875,74.05 22.35,73.575 22.35,69.95 23.15,69.15 P1.1@23.15,66 ; 53,11 J6.1@56.15,11 ; P1.1@53,13 53,9.85 53.8,9.05 53.8,5.425 54.275,4.95 54.275,4.2 v1(54.125,4.05) ; 53,27.5 J6.1@56.15,27.5 ; P1.1@53,29.5 53,26.35 53.8,25.55 53.8,21.925 54.275,21.45 54.275,20.7 v1(54.125,20.55) ; 53,44 J6.1@56.15,44 ; P1.1@53,46 53,42.85 53.8,42.05 53.8,38.425 54.275,37.95 54.275,37.2 v1(54.125,37.05) ; 53,60.5 J6.1@56.15,60.5 ; P1.1@53,62.5 53,59.35 53.8,58.55 53.8,54.925 54.275,54.45 54.275,53.7 v1(54.125,53.55) ; 53,77 J6.1@56.15,77 ; P1.1@53,79 53,75.85 53.8,75.05 53.8,71.425 54.275,70.95 54.275,70.2 v1(54.125,70.05) ; v1@54.09,4.085 ccw(c53.642,4.533) 54.275,4.533 ; v1@54.09,20.585 ccw(c53.642,21.033) 54.275,21.033 ; v1@54.09,37.085 ccw(c53.642,37.533) 54.275,37.533 ; v1@54.09,53.585 ccw(c53.642,54.033) 54.275,54.033 ; v1@54.09,70.085 ccw(c53.642,70.533) 54.275,70.533 ; J6.1@55.553,10.753 ccw(c54.955,10.155) 54.955,11 ccw(c54.955,11.845) J6.1@55.553,11.247 ; J6.1@55.553,27.253 ccw(c54.955,26.655) 54.955,27.5 ccw(c54.955,28.345) J6.1@55.553,27.747 ; J6.1@55.553,43.753 ccw(c54.955,43.155) 54.955,44 ccw(c54.955,44.845) J6.1@55.553,44.247 ; J6.1@55.553,60.253 ccw(c54.955,59.655) 54.955,60.5 ccw(c54.955,61.345) J6.1@55.553,60.747 ; J6.1@55.553,76.753 ccw(c54.955,76.155) 54.955,77 ccw(c54.955,77.845) J6.1@55.553,77.247 ; J6.1@60,2 63.15,2 ; J6.1@60,18.5 63.15,18.5 ; J6.1@60,35 63.15,35 ; J6.1@60,51.5 63.15,51.5 ; J6.1@60,68 63.15,68 ; J6.1@60.597,1.753 cw(c61.195,1.155) 61.195,2 cw(c61.195,2.845) J6.1@60.597,2.247 ; J6.1@60.597,18.253 cw(c61.195,17.655) 61.195,18.5 cw(c61.195,19.345) J6.1@60.597,18.747 ; J6.1@60.597,34.753 cw(c61.195,34.155) 61.195,35 cw(c61.195,35.845) J6.1@60.597,35.247 ; J6.1@60.597,51.253 cw(c61.195,50.655) 61.195,51.5 cw(c61.195,52.345) J6.1@60.597,51.747 ; J6.1@60.597,67.753 cw(c61.195,67.155) 61.195,68 cw(c61.195,68.845) J6.1@60.597,68.247 ; 61.875,8.467 cw(c62.508,8.467) v1@62.06,8.915 ; 61.875,24.967 cw(c62.508,24.967) v1@62.06,25.415 ; 61.875,41.467 cw(c62.508,41.467) v1@62.06,41.915 ; 61.875,57.967 cw(c62.508,57.967) v1@62.06,58.415 ; 61.875,74.467 cw(c62.508,74.467) v1@62.06,74.915 ; v1(62.025,8.95) 61.875,8.8 61.875,8.05 62.35,7.575 62.35,3.95 63.15,3.15 P1.1@63.15,0 ; v1(62.025,25.45) 61.875,25.3 61.875,24.55 62.35,24.075 62.35,20.45 63.15,19.65 P1.1@63.15,16.5 ; v1(62.025,41.95) 61.875,41.8 61.875,41.05 62.35,40.575 62.35,36.95 63.15,36.15 P1.1@63.15,33 ; v1(62.025,58.45) 61.875,58.3 61.875,57.55 62.35,57.075 62.35,53.45 63.15,52.65 P1.1@63.15,49.5 ; v1(62.025,74.95) 61.875,74.8 61.875,74.05 62.35,73.575 62.35,69.95 63.15,69.15 P1.1@63.15,66